# KiCad board sun3_60.kicad_pcb (continued)
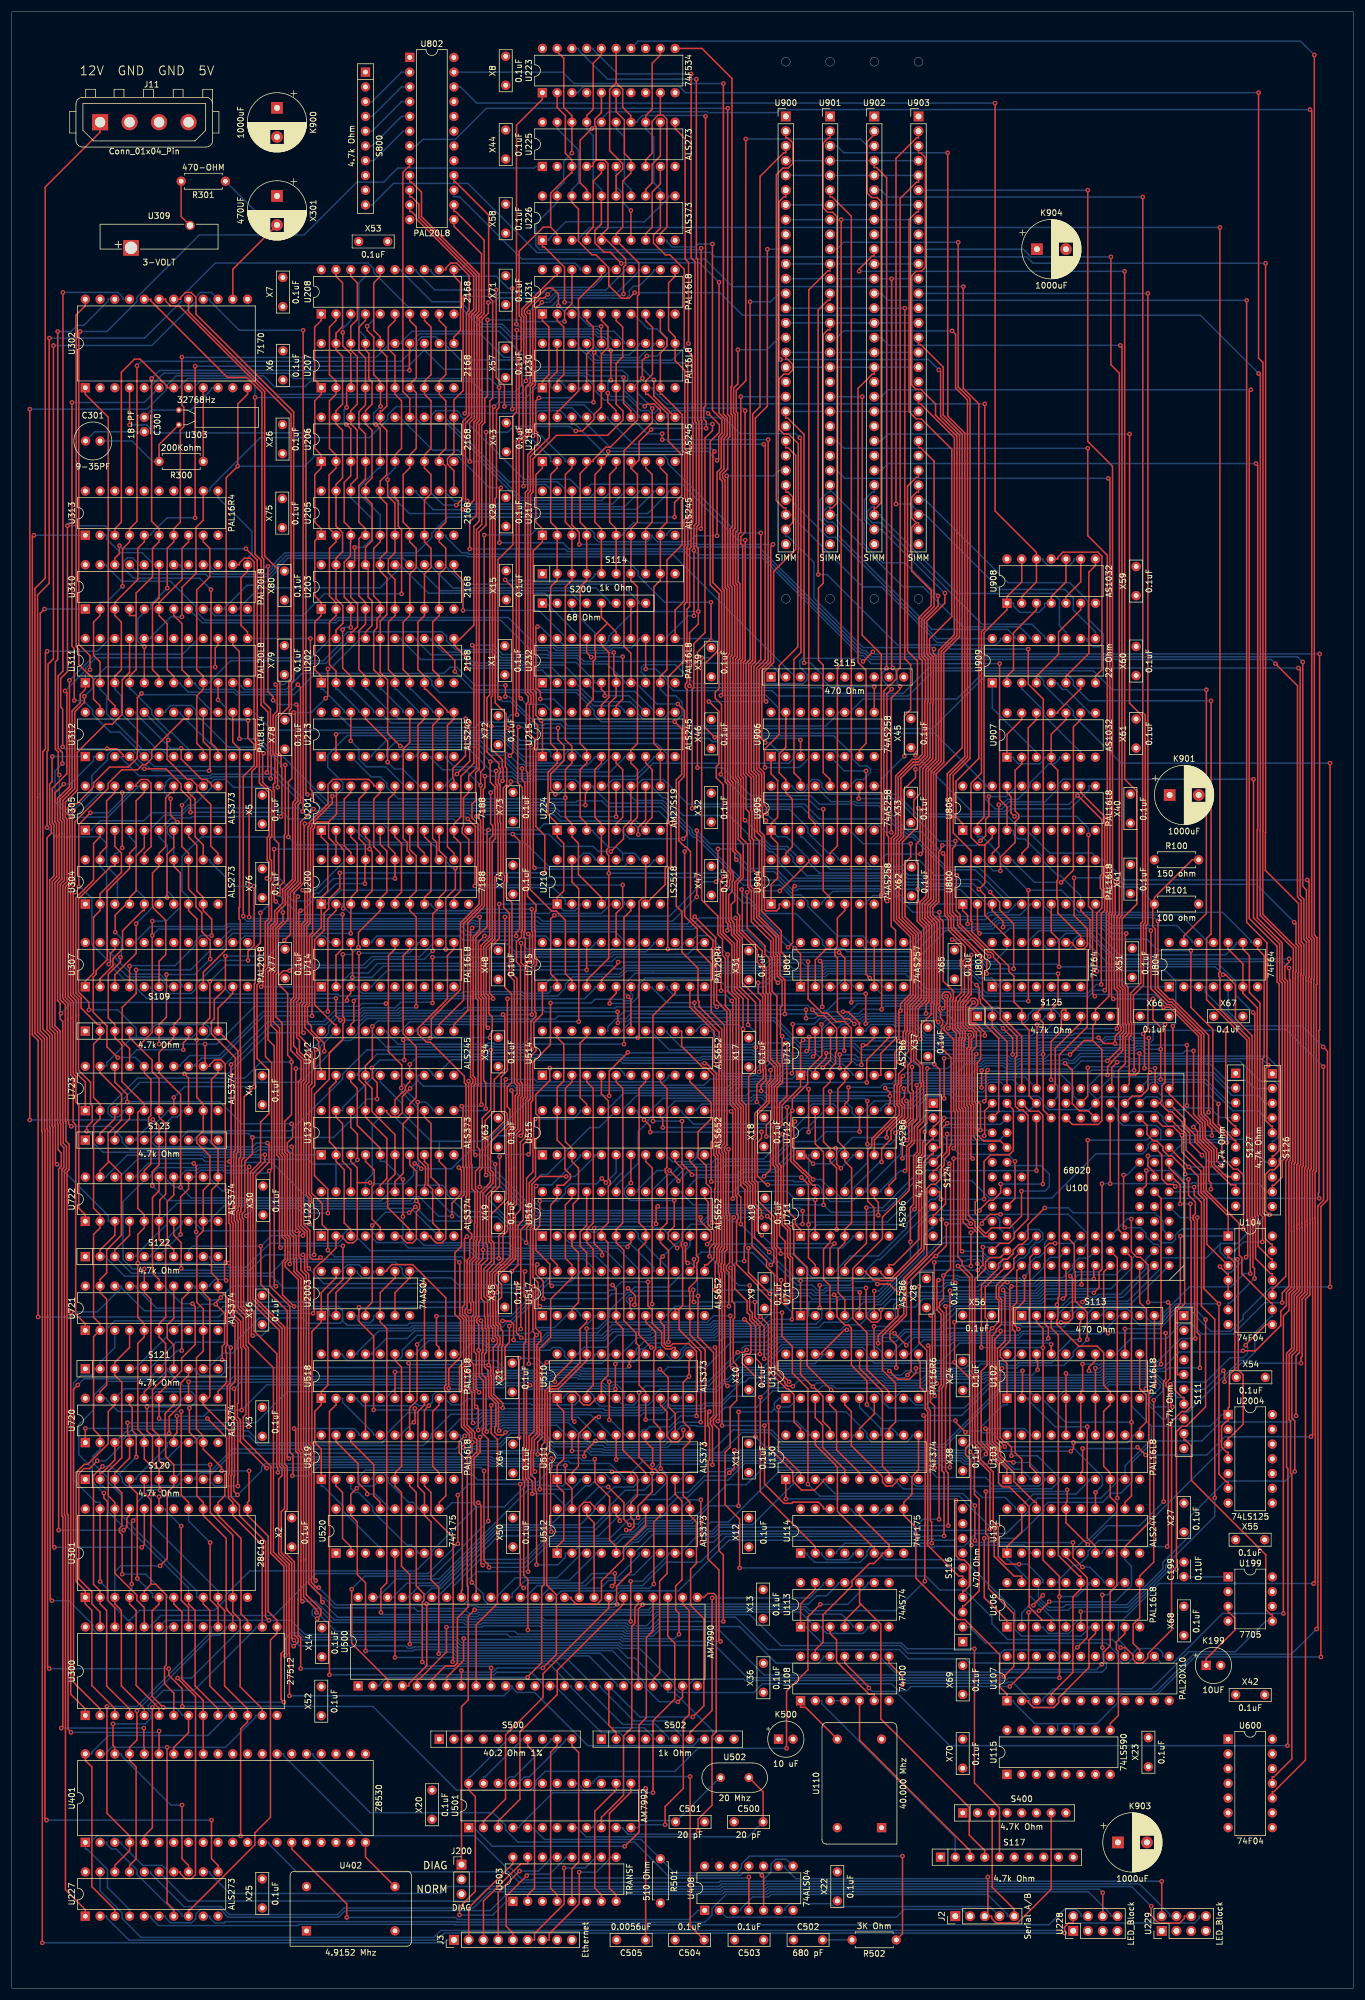
[diagram p0: board, top side]
## Footprints (pads in the part's own frame, mm; a bottom-side part is the same pattern mirrored in y, then rotated)
68020
  round 1.524 hole 0.762: 1(15.875,-15.875) 2(13.335,-15.875) 3(10.795,-15.875) 4(8.255,-15.875) 5(5.715,-15.875) 6(3.175,-15.875) 7(0.635,-15.875) 8(-1.905,-15.875) 9(-4.445,-15.875) 10(-6.985,-15.875) 11(-9.525,-15.875) 12(-12.065,-15.875) 13(-14.605,-15.875) 14(15.875,-13.335) 15(13.335,-13.335) 16(10.795,-13.335) 17(8.255,-13.335) 18(5.715,-13.335) 19(3.175,-13.335) 20(0.635,-13.335) 21(-1.905,-13.335) 22(-4.445,-13.335) 23(-6.985,-13.335) 24(-9.525,-13.335) 25(-12.065,-13.335) 26(-14.605,-13.335) 27(15.875,-10.795) 28(13.335,-10.795) 29(10.795,-10.795) 30(8.255,-10.795) 31(5.715,-10.795) 32(3.175,-10.795) 33(0.635,-10.795) 34(-1.905,-10.795) 35(-4.445,-10.795) 36(-6.985,-10.795) 37(-9.525,-10.795) 38(-12.065,-10.795) 39(-14.605,-10.795) 40(15.875,-8.255) 41(13.335,-8.255) 42(10.795,-8.255) 51(-12.065,-8.255) 52(-14.605,-8.255) 53(15.875,-5.715) 54(13.335,-5.715) 55(10.795,-5.715) 64(-12.065,-5.715) 65(-14.605,-5.715) 66(15.875,-3.175) 67(13.335,-3.175) 68(10.795,-3.175) 77(-12.065,-3.175) 78(-14.605,-3.175) 79(15.875,-0.635) 80(13.335,-0.635) 81(10.795,-0.635) 89(-9.525,-0.635) 90(-12.065,-0.635) 91(-14.605,-0.635) 92(15.875,1.905) 93(13.335,1.905) 94(10.795,1.905) 103(-12.065,1.905) 104(-14.605,1.905) 105(15.875,4.445) 106(13.335,4.445) 107(10.795,4.445) 116(-12.065,4.445) 117(-14.605,4.445) 118(15.875,6.985) 119(13.335,6.985) 120(10.795,6.985) 129(-12.065,6.985) 130(-14.605,6.985) 131(15.875,9.525) 132(13.335,9.525) 133(10.795,9.525) 134(8.255,9.525) 135(5.715,9.525) 136(3.175,9.525) 137(0.635,9.525) 138(-1.905,9.525) 139(-4.445,9.525) 140(-6.985,9.525) 141(-9.525,9.525) 142(-12.065,9.525) 143(-14.605,9.525) 144(15.875,12.065) 145(13.335,12.065) 146(10.795,12.065) 147(8.255,12.065) 148(5.715,12.065) 149(3.175,12.065) 150(0.635,12.065) 151(-1.905,12.065) 152(-4.445,12.065) 153(-6.985,12.065) 154(-9.525,12.065) 155(-12.065,12.065) 156(-14.605,12.065) 157(15.875,14.605) 158(13.335,14.605) 159(10.795,14.605) 160(8.255,14.605) 161(5.715,14.605) 162(3.175,14.605) 163(0.635,14.605) 164(-1.905,14.605) 165(-4.445,14.605) 166(-6.985,14.605) 167(-9.525,14.605) 168(-12.065,14.605) 169(-14.605,14.605)
Battery_Panasonic_CR2032-VS1N_Vertical_CircularHoles
  rect 2.7x2.7 hole 2.12: 1(0,0)
  round 1.6 hole 1.09: 2(10.17,3.85)
C_Disc_D3.0mm_W2.0mm_P2.50mm
  round 1.6 hole 0.8: 1(0,0) 2(2.5,0)
C_Radial_D6.3mm_H5.0mm_P2.50mm
  round 1.6 hole 0.8: 1(0,0) 2(2.5,0)
C_Rect_L7.0mm_W2.0mm_P5.00mm
  round 1.6 hole 0.8: 1(0,0) 2(5,0)
CP_Radial_D10.0mm_P5.00mm
  rect 2x2 hole 1: 1(0,0)
  round 2 hole 1: 2(5,0)
CP_Radial_Tantal_D6.0mm_P2.50mm
  rect 1.6x1.6 hole 0.8: 1(0,0)
  round 1.6 hole 0.8: 2(2.5,0)
Crystal_AT310_D3.0mm_L10.0mm_Horizontal
  round 1 hole 0.5: 1(0,0) 2(2.54,0)
Crystal_HC49-U_Vertical
  round 1.5 hole 0.8: 1(0,0) 2(4.88,0)
DIP-8_W7.62mm
  rect 1.6x1.6 hole 0.8: 1(0,0)
  oval 1.6x1.6 hole 0.8: 2(0,-2.54) 3(0,-5.08) 4(0,-7.62) 5(7.62,-7.62) 6(7.62,-5.08) 7(7.62,-2.54) 8(7.62,0)
DIP-14_W7.62mm
  rect 1.6x1.6 hole 0.8: 1(0,0)
  oval 1.6x1.6 hole 0.8: 2(0,-2.54) 3(0,-5.08) 4(0,-7.62) 5(0,-10.16) 6(0,-12.7) 7(0,-15.24) 8(7.62,-15.24) 9(7.62,-12.7) 10(7.62,-10.16) 11(7.62,-7.62) 12(7.62,-5.08) 13(7.62,-2.54) 14(7.62,0)
DIP-16_W7.62mm
  rect 1.6x1.6 hole 0.8: 1(0,0)
  oval 1.6x1.6 hole 0.8: 2(0,-2.54) 3(0,-5.08) 4(0,-7.62) 5(0,-10.16) 6(0,-12.7) 7(0,-15.24) 8(0,-17.78) 9(7.62,-17.78) 10(7.62,-15.24) 11(7.62,-12.7) 12(7.62,-10.16) 13(7.62,-7.62) 14(7.62,-5.08) 15(7.62,-2.54) 16(7.62,0)
DIP-20_W7.62mm
  rect 1.6x1.6 hole 0.8: 1(0,0)
  oval 1.6x1.6 hole 0.8: 2(0,-2.54) 3(0,-5.08) 4(0,-7.62) 5(0,-10.16) 6(0,-12.7) 7(0,-15.24) 8(0,-17.78) 9(0,-20.32) 10(0,-22.86) 11(7.62,-22.86) 12(7.62,-20.32) 13(7.62,-17.78) 14(7.62,-15.24) 15(7.62,-12.7) 16(7.62,-10.16) 17(7.62,-7.62) 18(7.62,-5.08) 19(7.62,-2.54) 20(7.62,0)
DIP-22_W7.62mm
  rect 1.6x1.6 hole 0.8: 1(0,0)
  oval 1.6x1.6 hole 0.8: 2(0,-2.54) 3(0,-5.08) 4(0,-7.62) 5(0,-10.16) 6(0,-12.7) 7(0,-15.24) 8(0,-17.78) 9(0,-20.32) 10(0,-22.86) 11(0,-25.4) 12(7.62,-25.4) 13(7.62,-22.86) 14(7.62,-20.32) 15(7.62,-17.78) 16(7.62,-15.24) 17(7.62,-12.7) 18(7.62,-10.16) 19(7.62,-7.62) 20(7.62,-5.08) 21(7.62,-2.54) 22(7.62,0)
DIP-24_W7.62mm
  rect 1.6x1.6 hole 0.8: 1(0,0)
  oval 1.6x1.6 hole 0.8: 2(0,-2.54) 3(0,-5.08) 4(0,-7.62) 5(0,-10.16) 6(0,-12.7) 7(0,-15.24) 8(0,-17.78) 9(0,-20.32) 10(0,-22.86) 11(0,-25.4) 12(0,-27.94) 13(7.62,-27.94) 14(7.62,-25.4) 15(7.62,-22.86) 16(7.62,-20.32) 17(7.62,-17.78) 18(7.62,-15.24) 19(7.62,-12.7) 20(7.62,-10.16) 21(7.62,-7.62) 22(7.62,-5.08) 23(7.62,-2.54) 24(7.62,0)
DIP-24_W15.24mm
  rect 1.6x1.6 hole 0.8: 1(0,0)
  oval 1.6x1.6 hole 0.8: 2(0,-2.54) 3(0,-5.08) 4(0,-7.62) 5(0,-10.16) 6(0,-12.7) 7(0,-15.24) 8(0,-17.78) 9(0,-20.32) 10(0,-22.86) 11(0,-25.4) 12(0,-27.94) 13(15.24,-27.94) 14(15.24,-25.4) 15(15.24,-22.86) 16(15.24,-20.32) 17(15.24,-17.78) 18(15.24,-15.24) 19(15.24,-12.7) 20(15.24,-10.16) 21(15.24,-7.62) 22(15.24,-5.08) 23(15.24,-2.54) 24(15.24,0)
DIP-28_W15.24mm
  rect 1.6x1.6 hole 0.8: 1(0,0)
  oval 1.6x1.6 hole 0.8: 2(0,-2.54) 3(0,-5.08) 4(0,-7.62) 5(0,-10.16) 6(0,-12.7) 7(0,-15.24) 8(0,-17.78) 9(0,-20.32) 10(0,-22.86) 11(0,-25.4) 12(0,-27.94) 13(0,-30.48) 14(0,-33.02) 15(15.24,-33.02) 16(15.24,-30.48) 17(15.24,-27.94) 18(15.24,-25.4) 19(15.24,-22.86) 20(15.24,-20.32) 21(15.24,-17.78) 22(15.24,-15.24) 23(15.24,-12.7) 24(15.24,-10.16) 25(15.24,-7.62) 26(15.24,-5.08) 27(15.24,-2.54) 28(15.24,0)
DIP-40_W15.24mm
  rect 1.6x1.6 hole 0.8: 1(0,0)
  oval 1.6x1.6 hole 0.8: 2(0,-2.54) 3(0,-5.08) 4(0,-7.62) 5(0,-10.16) 6(0,-12.7) 7(0,-15.24) 8(0,-17.78) 9(0,-20.32) 10(0,-22.86) 11(0,-25.4) 12(0,-27.94) 13(0,-30.48) 14(0,-33.02) 15(0,-35.56) 16(0,-38.1) 17(0,-40.64) 18(0,-43.18) 19(0,-45.72) 20(0,-48.26) 21(15.24,-48.26) 22(15.24,-45.72) 23(15.24,-43.18) 24(15.24,-40.64) 25(15.24,-38.1) 26(15.24,-35.56) 27(15.24,-33.02) 28(15.24,-30.48) 29(15.24,-27.94) 30(15.24,-25.4) 31(15.24,-22.86) 32(15.24,-20.32) 33(15.24,-17.78) 34(15.24,-15.24) 35(15.24,-12.7) 36(15.24,-10.16) 37(15.24,-7.62) 38(15.24,-5.08) 39(15.24,-2.54) 40(15.24,0)
DIP-48_W15.24mm
  rect 1.6x1.6 hole 0.8: 1(0,0)
  oval 1.6x1.6 hole 0.8: 2(0,-2.54) 3(0,-5.08) 4(0,-7.62) 5(0,-10.16) 6(0,-12.7) 7(0,-15.24) 8(0,-17.78) 9(0,-20.32) 10(0,-22.86) 11(0,-25.4) 12(0,-27.94) 13(0,-30.48) 14(0,-33.02) 15(0,-35.56) 16(0,-38.1) 17(0,-40.64) 18(0,-43.18) 19(0,-45.72) 20(0,-48.26) 21(0,-50.8) 22(0,-53.34) 23(0,-55.88) 24(0,-58.42) 25(15.24,-58.42) 26(15.24,-55.88) 27(15.24,-53.34) 28(15.24,-50.8) 29(15.24,-48.26) 30(15.24,-45.72) 31(15.24,-43.18) 32(15.24,-40.64) 33(15.24,-38.1) 34(15.24,-35.56) 35(15.24,-33.02) 36(15.24,-30.48) 37(15.24,-27.94) 38(15.24,-25.4) 39(15.24,-22.86) 40(15.24,-20.32) 41(15.24,-17.78) 42(15.24,-15.24) 43(15.24,-12.7) 44(15.24,-10.16) 45(15.24,-7.62) 46(15.24,-5.08) 47(15.24,-2.54) 48(15.24,0)
Oscillator_DIP-14
  rect 1.6x1.6 hole 0.8: 1(0,0)
  round 1.6 hole 0.8: 7(15.24,0) 8(15.24,7.62) 14(0,7.62)
PinHeader_1x03_P2.54mm_Vertical
  rect 1.7x1.7 hole 1: 1(0,0)
  oval 1.7x1.7 hole 1: 2(0,-2.54) 3(0,-5.08)
PinHeader_1x05_P2.54mm_Vertical
  rect 1.7x1.7 hole 1: 1(0,0)
  oval 1.7x1.7 hole 1: 2(0,-2.54) 3(0,-5.08) 4(0,-7.62) 5(0,-10.16)
PinHeader_1x09_P2.54mm_Vertical
  rect 1.7x1.7 hole 1: 1(0,0)
  oval 1.7x1.7 hole 1: 2(0,-2.54) 3(0,-5.08) 4(0,-7.62) 5(0,-10.16) 6(0,-12.7) 7(0,-15.24) 8(0,-17.78) 9(0,-20.32)
PinHeader_1x30_P2.54mm_Vertical
  rect 1.7x1.7 hole 1: 1(0,0)
  oval 1.7x1.7 hole 1: 2(0,-2.54) 3(0,-5.08) 4(0,-7.62) 5(0,-10.16) 6(0,-12.7) 7(0,-15.24) 8(0,-17.78) 9(0,-20.32) 10(0,-22.86) 11(0,-25.4) 12(0,-27.94) 13(0,-30.48) 14(0,-33.02) 15(0,-35.56) 16(0,-38.1) 17(0,-40.64) 18(0,-43.18) 19(0,-45.72) 20(0,-48.26) 21(0,-50.8) 22(0,-53.34) 23(0,-55.88) 24(0,-58.42) 25(0,-60.96) 26(0,-63.5) 27(0,-66.04) 28(0,-68.58) 29(0,-71.12) 30(0,-73.66)
PinHeader_2x04_P2.54mm_Vertical
  rect 1.7x1.7 hole 1: 1(0,0)
  oval 1.7x1.7 hole 1: 2(2.54,0) 3(0,-2.54) 4(2.54,-2.54) 5(0,-5.08) 6(2.54,-5.08) 7(0,-7.62) 8(2.54,-7.62)
R_Array_SIP8
  rect 1.6x1.6 hole 0.8: 1(0,0)
  oval 1.6x1.6 hole 0.8: 2(2.54,0) 3(5.08,0) 4(7.62,0) 5(10.16,0) 6(12.7,0) 7(15.24,0) 8(17.78,0)
R_Array_SIP10
  rect 1.6x1.6 hole 0.8: 1(0,0)
  oval 1.6x1.6 hole 0.8: 2(2.54,0) 3(5.08,0) 4(7.62,0) 5(10.16,0) 6(12.7,0) 7(15.24,0) 8(17.78,0) 9(20.32,0) 10(22.86,0)
R_Axial_DIN0207_L6.3mm_D2.5mm_P7.62mm_Horizontal
  round 1.6 hole 0.8: 1(0,0)
  oval 1.6x1.6 hole 0.8: 2(7.62,0)
TE_MATE-N-LOK_350211-1_1x04_P5.08mm_Vertical
  rect 2.78x2.78 hole 1.78: 1(0,0)
  round 2.78 hole 1.78: 2(5.08,0) 3(10.16,0) 4(15.24,0)

## Nets
+12V: J3.1 J11.1
GND: C199.2 C500.1 C501.2 C502.1 C503.2 C504.2 C505.2 J2.1 J3.9 J11.2 J11.3 J200.2 K199.2 K500.2 K900.2 K901.2 K903.2 K904.2 R101.2 S114.1 S115.1 S116.1 S500.1 S800.2 U100.10 U100.22 U100.90 U100.93 U100.104 U100.107 U100.118 U100.137 U100.163 U102.10 U103.10 U104.7 U106.10 U107.5 U107.6 U107.7 U107.8 U107.9 U107.10 U107.11 U107.12 U108.7 U110.7 U113.7 U114.8 U115.8 U115.12 U115.14 U122.10 U123.10 U130.10 U131.10 U132.10 U199.4 U200.11 U201.11 U202.10 U203.10 U205.10 U206.10 U207.10 U208.10 U210.8 U212.10 U213.10 U215.10 U217.10 U218.10 U223.10 U224.8 U225.10 U226.10 U227.10 U230.10 U231.10 U232.1 U232.10 U300.14 U300.20 U301.12 U301.18 U302.3 U302.11 U302.13 U304.10 U305.10 U307.12 U310.12 U311.12 U311.23 U312.12 U313.10 U401.12 U401.18 U401.19 U401.21 U401.22 U401.28 U401.31 U401.33 U402.7 U408.7 U500.1 U500.24 U501.6 U501.7 U501.15 U510.10 U511.10 U512.10 U514.1 U514.2 U514.12 U515.1 U515.2 U515.12 U516.1 U516.2 U516.12 U517.1 U517.2 U517.12 U518.10 U519.10 U520.8 U600.7 U710.7 U711.7 U712.7 U713.7 U714.5 U714.6 U714.7 U714.8 U714.9 U714.10 U715.12 U720.10 U721.10 U722.10 U723.10 U800.8 U800.10 U801.8 U801.10 U801.15 U802.1 U802.12 U803.2 U803.3 U803.4 U803.5 U803.6 U803.7 U804.7 U805.6 U805.7 U805.10 U900.9 U900.22 U900.24 U901.9 U901.22 U901.24 U902.9 U902.22 U902.24 U903.9 U903.22 U903.24 U904.8 U905.8 U906.8 U906.10 U906.13 U906.14 U907.7 U908.7 U2003.7 U2004.7 X1.2 X2.2 X3.2 X4.2 X5.2 X6.2 X7.2 X8.2 X9.2 X10.2 X11.2 X12.2 X13.2 X14.2 X15.2 X16.2 X17.2 X18.2 X19.2 X20.2 X21.2 X22.2 X23.2 X24.2 X25.2 X26.2 X27.2 X28.2 X29.2 X30.2 X31.2 X32.2 X33.2 X34.2 X35.2 X36.2 X37.2 X38.2 X39.2 X40.2 X41.2 X42.2 X43.2 X44.2 X45.2 X46.2 X47.2 X48.2 X49.2 X50.2 X51.2 X52.2 X53.2 X54.2 X55.2 X56.2 X57.2 X58.2 X59.2 X60.2 X61.2 X62.2 X63.2 X64.2 X65.2 X66.2 X67.2 X68.2 X69.2 X70.2 X71.2 X72.2 X73.2 X74.2 X75.2 X76.2 X77.2 X78.2 X79.2 X80.2
VCC: C503.1 J11.4 K500.1 K900.1 K901.1 K903.1 K904.1 R100.1 R501.2 S109.1 S111.1 S113.1 S117.1 S120.1 S121.1 S122.1 S123.1 S124.1 S125.1 S126.1 S127.1 S400.4 S400.8 S502.1 S800.1 U100.9 U100.40 U100.41 U100.55 U100.89 U100.91 U100.151 U100.164 U102.20 U103.20 U104.14 U106.20 U107.24 U108.10 U108.14 U110.14 U113.14 U114.4 U114.16 U115.10 U115.16 U122.20 U123.20 U130.20 U131.20 U132.2 U132.4 U132.6 U132.8 U132.11 U132.13 U132.15 U132.17 U132.20 U199.2 U199.7 U199.8 U200.22 U201.22 U202.20 U203.20 U205.20 U206.20 U207.20 U208.20 U210.16 U212.20 U213.20 U215.20 U217.20 U218.20 U223.4 U223.7 U223.8 U223.13 U223.20 U224.16 U225.20 U226.20 U227.20 U228.1 U228.3 U228.5 U228.7 U229.1 U229.3 U229.5 U229.7 U230.20 U231.20 U232.20 U300.28 U301.24 U302.2 U302.23 U304.20 U305.20 U307.24 U309.1 U310.24 U311.24 U312.24 U313.20 U401.7 U401.8 U401.9 U402.14 U408.14 U500.48 U501.18 U501.19 U501.20 U510.20 U511.20 U512.20 U514.22 U514.24 U515.22 U515.24 U516.24 U517.24 U518.20 U519.20 U520.1 U520.16 U600.14 U710.14 U711.14 U712.14 U713.14 U714.20 U715.24 U720.20 U721.20 U722.20 U723.20 U800.20 U801.13 U801.16 U802.24 U803.14 U804.4 U804.14 U805.20 U900.1 U900.30 U901.1 U901.30 U902.1 U902.30 U903.1 U903.30 U904.16 U905.16 U906.16 U907.14 U908.14 U2003.14 U2004.2 U2004.5 U2004.14 X1.1 X2.1 X3.1 X4.1 X5.1 X6.1 X7.1 X8.1 X9.1 X10.1 X11.1 X12.1 X13.1 X14.1 X15.1 X16.1 X17.1 X18.1 X19.1 X20.1 X21.1 X22.1 X23.1 X24.1 X25.1 X26.1 X27.1 X28.1 X29.1 X30.1 X31.1 X32.1 X33.1 X34.1 X35.1 X36.1 X37.1 X38.1 X39.1 X40.1 X41.1 X42.1 X43.1 X44.1 X45.1 X46.1 X47.1 X48.1 X49.1 X50.1 X51.1 X52.1 X53.1 X54.1 X55.1 X56.1 X57.1 X58.1 X59.1 X60.1 X61.1 X62.1 X63.1 X64.1 X65.1 X66.1 X67.1 X68.1 X69.1 X70.1 X71.1 X72.1 X73.1 X74.1 X75.1 X76.1 X77.1 X78.1 X79.1 X80.1 X301.1
/AS: U102.9 U103.9 U104.2 U114.1 U803.12 U804.9 U2004.1 U2004.4
/AS-: S111.7 U100.131 U104.1 U130.17 U131.19
/BERR-: U100.106 U106.18 U518.11
/C.S3: U114.2 U114.5 U804.12
/C.S3-: U114.3 U230.8 U231.8 U310.18 U803.13 U805.3 U904.1 U905.1 U906.1
/C.S5: U108.13 U114.7 U114.12
/CAS-: U104.13 U715.6 U804.8 U805.2 U908.1 U908.4 U908.10 U908.13
/CDIS-: S111.5 U100.92
/CLK: U108.12 U715.1 U803.1 U804.1 U2003.6 U2003.8
/CLK-: U107.1 U114.9 U115.11 U115.13 U130.11 U131.1 U313.1 U520.9 U804.5 U2003.2 U2003.10 U2003.12
/CX0: U200.1 U201.1 U210.2 U723.13
/CX1: U200.2 U201.2 U210.5 U723.14
/CX2: U200.3 U201.3 U210.11 U723.17
/DDIS-: S113.8 U131.12
/DIAG-: J200.1 S113.10 U226.3
/DIS.RAS-: U102.13 U803.11
/DISACC-: U232.13 U310.23 U804.13
/DMA: U106.12 U723.18
/DS-: S111.8 U100.144 U104.9 U310.14 U519.11
/DSACK0-: S113.4 U100.94 U106.17 U123.11 U230.12 U311.20 U313.12 U805.18 U2004.3
/DSACK1-: S113.5 U100.105 U519.12 U805.17 U2004.6
/DXACK-: U130.13 U805.16
/E.ACK-: U131.17 U510.1 U511.1 U512.1 U518.9 U519.9
/E.CS-: U100.79 U113.11 U500.20 U516.22 U517.22 U519.5 U520.15
/E.HOLD-: S502.7 U113.12 U500.17 U520.5
/E.IRQ-: S502.8 U307.13 U500.11
/E.REQ-: U130.4 U518.14
/EN.CAS: U310.21 U804.11
/EN.DEV-: U102.18 U232.6 U310.8 U715.4
/EN.E-: U310.16 U518.1 U519.1 U520.4
/EN.UART-: U102.12 U311.11
/Ethernet/A0: S120.2 U100.30 U224.10 U230.1 U231.1 U300.10 U301.8 U302.8 U312.3 U510.2 U720.3 U800.3
/Ethernet/A1: S120.3 U100.2 U224.11 U230.2 U231.2 U300.9 U301.7 U302.7 U312.4 U313.3 U401.32 U500.21 U510.5 U518.5 U720.4 U800.4
/Ethernet/A2: S120.4 U100.64 U224.12 U300.8 U301.6 U302.6 U312.5 U401.34 U510.6 U720.7 U801.2 U801.6 U801.11 U801.14
/Ethernet/A3: S120.5 U100.52 U224.13 U300.7 U301.5 U302.5 U510.9 U720.8 U906.6
/Ethernet/A4: S120.6 U100.51 U224.14 U300.6 U301.4 U302.4 U510.12 U720.13 U904.3
/Ethernet/A5: S120.7 U100.39 U300.5 U301.3 U510.15 U720.14 U904.6
/Ethernet/A6: S120.8 U100.26 U300.4 U301.2 U510.16 U720.17 U904.10
/Ethernet/A7: S120.9 U100.38 U300.3 U301.1 U510.19 U720.18 U904.13
/Ethernet/A8: S121.2 U100.13 U300.25 U301.23 U511.2 U721.3 U905.3
/Ethernet/A9: S121.3 U100.37 U300.24 U301.22 U511.5 U721.4 U905.6
/Ethernet/A10: S121.4 U100.25 U300.21 U301.19 U511.6 U721.7 U905.10
/Ethernet/A11: S121.5 U100.12 U300.23 U511.9 U721.8 U905.13
/Ethernet/A12: S121.6 U100.36 U300.2 U511.12 U721.13 U906.3
/Ethernet/A13: S121.7 U100.24 U103.1 U202.16 U203.16 U205.16 U206.16 U207.16 U208.16 U300.26 U511.15 U721.14
/Ethernet/A14: S121.8 U100.11 U103.2 U202.17 U203.17 U205.17 U206.17 U207.17 U208.17 U300.27 U511.16 U721.17
/Ethernet/A15: S121.9 U100.23 U103.3 U202.18 U203.18 U205.18 U206.18 U207.18 U208.18 U300.1 U511.19 U721.18
/Ethernet/A16: S122.2 U100.35 U103.4 U202.19 U203.19 U205.19 U206.19 U207.19 U208.19 U512.2 U722.3
/Ethernet/A17: S122.3 U100.34 U103.5 U200.19 U201.19 U512.5 U722.4
/Ethernet/A18: S122.4 U100.21 U200.20 U201.20 U512.6 U722.7
/Ethernet/A19: S122.5 U100.8 U200.21 U201.21 U512.9 U722.8
/Ethernet/A20: S122.6 U100.20 U200.4 U201.4 U512.12 U722.13
/Ethernet/A21: S122.7 U100.33 U200.5 U201.5 U512.15 U722.14
/Ethernet/A22: S122.8 U100.7 U200.6 U201.6 U512.16 U722.17
/Ethernet/A23: S122.9 U100.6 U200.7 U201.7 U512.19 U722.18
/Ethernet/A24: S123.2 U100.19 U132.18 U200.8 U201.8 U723.3
/Ethernet/A25: S123.3 U100.32 U132.3 U200.9 U201.9 U723.4
/Ethernet/A26: S123.4 U100.5 U132.16 U200.17 U201.17 U723.7
/Ethernet/A27: S123.5 U100.18 U132.5 U200.18 U201.18 U723.8
/Ethernet/A28: S123.6 U100.4 U102.1 U132.14 U230.3 U231.3
/Ethernet/A29: S123.7 U100.31 U102.2 U132.7 U230.4 U231.4
/Ethernet/A30: S123.8 U100.17 U102.3 U132.12 U230.5 U231.5
/Ethernet/A31: S123.9 U100.3 U102.4 U132.9
/Ethernet/E.A16: U500.39 U512.3
/Ethernet/E.A17: U500.38 U512.4
/Ethernet/E.A18: U500.37 U512.7
/Ethernet/E.A19: U500.36 U512.8
/Ethernet/E.A20: U500.35 U512.13
/Ethernet/E.A21: U500.34 U512.14
/Ethernet/E.A22: U500.33 U512.17
/Ethernet/E.A23: U500.32 U512.18
/Ethernet/E.ALE: S502.2 U500.18 U510.11 U511.11 U512.11 U518.6
/Ethernet/E.BM0-: S502.5 U500.15 U519.7
/Ethernet/E.BM1-: S502.6 U500.16 U519.8
/Ethernet/E.CBA: U514.23 U515.23 U516.23 U517.23 U518.12
/Ethernet/E.CLSW: U500.28 U501.1
/Ethernet/E.CO+: S500.6 U501.24 U503.1
/Ethernet/E.CO+<>: J3.2 U503.16
/Ethernet/E.CO-: S500.7 U501.23 U503.2
/Ethernet/E.CO-<>: J3.3 U503.15
/Ethernet/E.CREQ-: U519.2 U520.2
/Ethernet/E.CSX-: U519.18 U520.13
/Ethernet/E.D0: U500.9 U510.3 U514.4 U516.4
/Ethernet/E.D1: U500.8 U510.4 U514.5 U516.5
/Ethernet/E.D2: U500.7 U510.7 U514.6 U516.6
/Ethernet/E.D3: U500.6 U510.8 U514.7 U516.7
/Ethernet/E.D4: U500.5 U510.13 U514.8 U516.8
/Ethernet/E.D5: U500.4 U510.14 U514.9 U516.9
/Ethernet/E.D6: U500.3 U510.17 U514.10 U516.10
/Ethernet/E.D7: U500.2 U510.18 U514.11 U516.11
/Ethernet/E.D8: U500.47 U511.3 U515.4 U517.4
/Ethernet/E.D9: U500.46 U511.4 U515.5 U517.5
/Ethernet/E.D10: U500.45 U511.7 U515.6 U517.6
/Ethernet/E.D11: U500.44 U511.8 U515.7 U517.7
/Ethernet/E.D12: U500.43 U511.13 U515.8 U517.8
/Ethernet/E.D13: U500.42 U511.14 U515.9 U517.9
/Ethernet/E.D14: U500.41 U511.17 U515.10 U517.10
/Ethernet/E.D15: U500.40 U511.18 U515.11 U517.11
/Ethernet/E.DAS-: S502.3 U500.14 U518.2 U519.16
/Ethernet/E.EXT-: S502.10
/Ethernet/E.GAB: U514.3 U515.3 U516.3 U517.3 U518.19
/Ethernet/E.GBA0-: U516.21 U517.21 U518.18
/Ethernet/E.GBA1-: U514.21 U515.21 U518.17
/Ethernet/E.HLDA-: U500.19 U518.8 U519.4 U520.10
/Ethernet/E.HLDX-: U519.19 U520.12
/Ethernet/E.HREQ-: U519.3 U520.7
/Ethernet/E.RCLK: U500.27 U501.4
/Ethernet/E.RDY-: S502.9 U500.22 U518.15 U519.6
/Ethernet/E.RENA: U500.30 U501.3
/Ethernet/E.RX: U500.31 U501.2
/Ethernet/E.RX+: S500.9 U501.22 U503.4
/Ethernet/E.RX+<>: J3.4 U503.13
/Ethernet/E.RX-: S500.10 U501.21 U503.5
/Ethernet/E.RX-<>: J3.5 U503.12
/Ethernet/E.SMS: J3.8
/Ethernet/E.TCLK: U500.25 U501.11
/Ethernet/E.TENA: U500.26 U501.12
/Ethernet/E.TX: U500.29 U501.10
/Ethernet/E.TX+: U501.14 U503.7
/Ethernet/E.TX+<>: J3.6 U503.10
/Ethernet/E.TX-: U501.13 U503.8
/Ethernet/E.TX-<>: J3.7 U503.9
/Ethernet/E.WE-: U500.10 U518.4 U519.17
/FC2: U100.67 U102.7 U103.14 U232.8
/HALT-: S113.3 U100.119 U106.15 U107.4
/INIT-: U106.11 U107.15 U131.8 U225.1 U227.1 U311.1 U714.3 U715.2 U805.11
/IO2CPU-: U123.1 U311.21
/IOLOCK-: U113.9 U310.1
/IPL0-: U100.116 U307.22
/IPL1-: U100.117 U307.21
/IPL2-: U100.103 U307.15
/P0: U713.6 U903.26 U903.29
/P1: U712.6 U902.26 U902.29
/P2: U711.6 U901.26 U901.29
/P3: U710.6 U900.26 U900.29
/PD0-: S115.2 U200.10 U201.10
/PD1-: S115.3 U202.9 U203.9 U205.9 U206.9 U207.9 U208.9
/POR-: S111.9 U107.3 U199.5
/PU0: S117.2 U108.2
/PU1: S117.3 U108.5
/PU2: S117.4 U113.4 U113.10
/PU3: S117.5 U113.1 U113.13
/R.ACK-: U102.8 U103.8 U106.8 U108.9 U131.18 U800.9 U802.14 U805.4
/R/W-: U100.132 U104.3 U518.3 U519.13 U715.5
/READ-: U104.4 U104.5 U212.1 U213.1 U215.1 U217.1 U218.1 U906.11
/RERUN-: S113.6 U106.6 U310.22 U518.13
/RESET-: S113.2 U100.27 U106.14 U304.1 U500.23
/RTC-: S111.6 U302.12 U307.9
/S8A Memory/CAS: U104.12 U804.6 U804.10
/S8A Memory/CAS0-: U802.22 U908.2 U908.5 U908.9 U908.12
/S8A Memory/CAS1-: U802.21
/S8A Memory/CAS2-: U802.20
/S8A Memory/CAS3-: U802.19
/S8A Memory/CAS4-: U802.18
/S8A Memory/CAS5-: U802.17
/S8A Memory/CE-: U802.15 U805.1
/S8A Memory/M.PD-: U600.10 U800.11 U802.23 U805.5 U904.15 U905.15 U906.15
/S8A Memory/M.PU: S800.10 U600.11
/S8A Memory/M.S1-: S800.3 U802.2
/S8A Memory/M.S2-: S800.4 U802.3
/S8A Memory/M.S3-: S800.5 U802.4
/S8A Memory/M.S4-: S800.6 U802.5
/S8A Memory/M.S5-: S800.7 U802.6
/S8A Memory/PA02/22: U801.4 U802.7
/S8A Memory/PA13: U208.12 U218.18 U904.2
/S8A Memory/PA14: U208.13 U218.17 U904.5
/S8A Memory/PA15: U208.14 U218.16 U904.11
/S8A Memory/PA16: U208.15 U218.15 U904.14
/S8A Memory/PA17: U207.12 U218.14 U310.2 U311.2 U312.6 U313.4 U905.2
/S8A Memory/PA18: U207.13 U218.13 U310.3 U311.3 U312.7 U313.5 U905.5
/S8A Memory/PA19: U207.14 U218.12 U310.4 U311.4 U312.8 U313.6 U905.11
/S8A Memory/PA20: U207.15 U218.11 U310.5 U311.5 U313.7 U905.14
/S8A Memory/PA21: U206.12 U217.18 U906.2
/S8A Memory/PA22: U206.13 U217.17 U801.3 U801.5
/S8A Memory/PA22/02: U801.7 U906.5
/S8A Memory/PA23: U206.14 U217.16 U802.8
/S8A Memory/PA24: U206.15 U217.15 U802.9
/S8A Memory/PA25: U205.12 U217.14 U802.10
/S8A Memory/PA26: U205.13 U217.13 U802.11
/S8A Memory/PA27: U205.14 U217.12 U802.13
/S8A Memory/PA28: U205.15 U217.11 U310.9
/S8A Memory/R.ACK: U108.8 U804.2 U804.3
/S8A Memory/RAS: U104.10 U803.10
/S8A Memory/RAS-: U104.11 U803.8 U907.1 U907.4 U907.10 U907.13
/S8A Memory/RE00-: U800.19 U907.2
/S8A Memory/RE01-: U800.18 U907.5
/S8A Memory/RE02-: U800.17 U907.9
/S8A Memory/RE03-: U800.16 U907.12
/S8A Memory/RE10-: U800.15
/S8A Memory/RE11-: U800.14
/S8A Memory/RE12-: U800.13
/S8A Memory/RE13-: U800.12
/S8A Memory/SEL0-: U800.5 U801.9
/S8A Memory/SEL1: U800.6 U801.12
/S8A Memory/TWOWAY-: U801.1 U802.16
/S8A Memory/V.INTX-: U805.9
/S8A Memory/V.INTY-: U805.8
/SCC.IRQ-: S109.10 U307.11 U401.5
/SCSI 2, Parity/IO.D0: S109.2 U122.2 U123.3 U227.3 U300.11 U301.9 U302.15 U304.3 U305.2 U401.40 U715.20 U720.2 U721.2 U722.2 U723.2
/SCSI 2, Parity/IO.D1: S109.3 U122.5 U123.4 U227.4 U300.12 U301.10 U302.16 U304.4 U305.5 U401.1 U715.19 U720.5 U721.5 U722.5 U723.5
/SCSI 2, Parity/IO.D2: S109.4 U122.6 U123.7 U227.7 U300.13 U301.11 U302.17 U304.7 U305.6 U401.39 U715.18 U720.6 U721.6 U722.6 U723.6
/SCSI 2, Parity/IO.D3: S109.5 U122.9 U123.8 U227.8 U300.15 U301.13 U302.18 U304.8 U305.9 U401.2 U715.17 U720.9 U721.9 U722.9 U723.9
/SCSI 2, Parity/IO.D4: S109.6 U122.12 U123.13 U227.13 U300.16 U301.14 U302.19 U304.13 U305.12 U401.38 U714.15 U720.12 U721.12 U722.12 U723.12
/SCSI 2, Parity/IO.D5: S109.7 U122.15 U123.14 U227.14 U300.17 U301.15 U302.20 U304.14 U305.15 U401.3 U714.14 U720.15 U721.15 U722.15 U723.15
/SCSI 2, Parity/IO.D6: S109.8 U122.16 U123.17 U227.17 U300.18 U301.16 U302.21 U304.17 U305.16 U401.37 U714.13 U720.16 U721.16 U722.16 U723.16
/SCSI 2, Parity/IO.D7: S109.9 U122.19 U123.18 U227.18 U300.19 U301.17 U302.22 U304.18 U305.19 U401.4 U714.12 U720.19 U721.19 U722.19 U723.19
/SCSI 2, Parity/PAR0-: U713.5 U715.11
/SCSI 2, Parity/PAR1-: U712.5 U715.10
/SCSI 2, Parity/PAR2-: U711.5 U715.9
/SCSI 2, Parity/PAR3-: U710.5 U715.8
/SCSI 2, Parity/PAR.CHK-: U714.17 U715.23
/SCSI 2, Parity/PAR.ERR-: U714.4 U715.21
/SCSI 2, Parity/PAR.IRQ-: U307.14 U714.19
/SCSI 2, Parity/PAR.SAMPLE: U715.16 U720.11 U721.11 U722.11 U723.11
/SCSI 2, Parity/PAR.TEST-: U710.4 U711.4 U712.4 U713.4 U714.18
/SCSI 2, Parity/RD.PAR0-: U312.19 U714.2 U715.13
/SCSI 2, Parity/RD.PAR4-: U312.17 U723.1
/SCSI 2, Parity/RD.PAR5-: U312.16 U722.1
/SCSI 2, Parity/RD.PAR6-: U312.15 U721.1
/SCSI 2, Parity/RD.PAR7-: U312.14 U720.1
/SCSI 2, Parity/WR.PAR0-: U312.18 U714.1
/SCSI 2, Parity/WR.PAR4-: U312.13 U715.3
/SIMMs 1/CE00-: U908.3 U909.2
/SIMMs 1/CE01-: U908.6 U909.4
/SIMMs 1/CE02-: U908.8 U909.6
/SIMMs 1/CE03-: U908.11 U909.8
/SIMMs 1/M.A0.0: U900.4 U901.4 U902.4 U903.4 U904.4
/SIMMs 1/M.A1.0: U900.5 U901.5 U902.5 U903.5 U904.7
/SIMMs 1/M.A2.0: U900.7 U901.7 U902.7 U903.7 U904.9
/SIMMs 1/M.A3.0: U900.8 U901.8 U902.8 U903.8 U904.12
/SIMMs 1/M.A4.0: U900.11 U901.11 U902.11 U903.11 U905.4
/SIMMs 1/M.A5.0: U900.12 U901.12 U902.12 U903.12 U905.7
/SIMMs 1/M.A6.0: U900.14 U901.14 U902.14 U903.14 U905.9
/SIMMs 1/M.A7.0: U900.15 U901.15 U902.15 U903.15 U905.12
/SIMMs 1/M.A8.0: U900.17 U901.17 U902.17 U903.17 U906.4
/SIMMs 1/M.A9.0: U900.18 U901.18 U902.18 U903.18 U906.7
/SIMMs 1/M.CE00-: U900.2 U900.28 U909.15
/SIMMs 1/M.CE01-: U901.2 U901.28 U909.13
/SIMMs 1/M.CE02-: U902.2 U902.28 U909.11
/SIMMs 1/M.CE03-: U903.2 U903.28 U909.9
/SIMMs 1/M.RE00-: U900.27 U909.16
/SIMMs 1/M.RE01-: U901.27 U909.14
/SIMMs 1/M.RE02-: U902.27 U909.12
/SIMMs 1/M.RE03-: U903.27 U909.10
/SIMMs 1/M.WE.0-: U900.21 U901.21 U902.21 U903.21 U906.9
/SIMMs 1/XE00-: U907.3 U909.1
/SIMMs 1/XE01-: U907.6 U909.3
/SIMMs 1/XE02-: U907.8 U909.5
/SIMMs 1/XE03-: U907.11 U909.7
/SIZ0: U100.66 U519.15 U800.1
/SIZ1: U100.80 U519.14 U800.2
/sun3_60_cpu/BACK-: U100.1 U131.13
/sun3_60_cpu/BERR.P-: U106.2 U223.17 U232.12
/sun3_60_cpu/BERR.T-: U106.3 U107.16 U223.14
/sun3_60_cpu/BERR.V-: U106.1 U223.18 U232.19
/sun3_60_cpu/BERRCLK: U106.19 U223.11
/sun3_60_cpu/BG-: U100.15 U131.9
/sun3_60_cpu/BR-: U100.16 U131.14
/sun3_60_cpu/C.S5-: U106.7 U107.2 U114.6 U130.18 U230.9 U231.9 U232.9 U310.6 U311.7 U313.8
/sun3_60_cpu/C.S7: U114.10 U114.13
/sun3_60_cpu/C.S7X-: U130.19 U230.11 U231.11 U232.11
/sun3_60_cpu/C.S9-: U114.14 U311.14
/sun3_60_cpu/C.S21-: U107.20 U310.7 U311.8
/sun3_60_cpu/CLK1: R100.2 R101.1 U100.28 U2003.4
/sun3_60_cpu/CLK2X: U108.6 U113.3
/sun3_60_cpu/CLKA: U113.5 U2003.1 U2003.11 U2003.13
/sun3_60_cpu/CLKA-: U113.2 U113.6 U2003.3 U2003.5 U2003.9
/sun3_60_cpu/CS.FPP-: U103.17
/sun3_60_cpu/D0: S124.2 U100.130 U514.20 U710.8 U900.3
/sun3_60_cpu/D1: S124.3 U100.129 U514.19 U710.9 U900.6
/sun3_60_cpu/D2: S124.4 U100.143 U514.18 U710.10 U900.10
/sun3_60_cpu/D3: S124.5 U100.142 U514.17 U710.11 U900.13
/sun3_60_cpu/D4: S124.6 U100.156 U514.16 U710.12 U900.16
/sun3_60_cpu/D5: S124.7 U100.155 U514.15 U710.13 U900.20
/sun3_60_cpu/D6: S124.8 U100.154 U514.14 U710.1 U900.23
/sun3_60_cpu/D7: S124.9 U100.140 U514.13 U710.2 U900.25
/sun3_60_cpu/D8: S125.2 U100.168 U515.20 U711.8 U901.3
/sun3_60_cpu/D9: S125.3 U100.167 U515.19 U711.9 U901.6
/sun3_60_cpu/D10: S125.4 U100.153 U515.18 U711.10 U901.10
/sun3_60_cpu/D11: S125.5 U100.139 U515.17 U711.11 U901.13
/sun3_60_cpu/D12: S125.6 U100.166 U515.16 U711.12 U901.16
/sun3_60_cpu/D13: S125.7 U100.152 U515.15 U711.13 U901.20
/sun3_60_cpu/D14: S125.8 U100.165 U515.14 U711.1 U901.23
/sun3_60_cpu/D15: S125.9 U100.138 U515.13 U711.2 U901.25
/sun3_60_cpu/D16: S126.2 U100.150 U516.20 U712.8 U902.3
/sun3_60_cpu/D17: S126.3 U100.162 U516.19 U712.9 U902.6
/sun3_60_cpu/D18: S126.4 U100.149 U516.18 U712.10 U902.10
/sun3_60_cpu/D19: S126.5 U100.136 U516.17 U712.11 U902.13
/sun3_60_cpu/D20: S126.6 U100.161 U516.16 U712.12 U902.16
/sun3_60_cpu/D21: S126.7 U100.148 U516.15 U712.13 U902.20
/sun3_60_cpu/D22: S126.8 U100.160 U516.14 U712.1 U902.23
/sun3_60_cpu/D23: S126.9 U100.135 U516.13 U712.2 U902.25
/sun3_60_cpu/D24: S127.2 U100.147 U122.3 U123.2 U212.2 U517.20 U713.8 U903.3
/sun3_60_cpu/D25: S127.3 U100.159 U122.4 U123.5 U212.3 U517.19 U713.9 U903.6
/sun3_60_cpu/D26: S127.4 U100.146 U122.7 U123.6 U212.4 U517.18 U713.10 U903.10
/sun3_60_cpu/D27: S127.5 U100.134 U122.8 U123.9 U212.5 U517.17 U713.11 U903.13
/sun3_60_cpu/D28: S127.6 U100.158 U122.13 U123.12 U212.6 U517.16 U713.12 U903.16
/sun3_60_cpu/D29: S127.7 U100.145 U122.14 U123.15 U212.7 U517.15 U713.13 U903.20
/sun3_60_cpu/D30: S127.8 U100.133 U122.17 U123.16 U212.8 U517.14 U713.1 U903.23
/sun3_60_cpu/D31: S127.9 U100.157 U122.18 U123.19 U212.9 U517.13 U713.2 U903.25
/sun3_60_cpu/DMA-: U103.7 U106.5 U130.8 U131.15 U132.1 U132.19
/sun3_60_cpu/DMAX-: U130.9 U131.5
/sun3_60_cpu/DS: U104.8 U122.11
/sun3_60_cpu/E.REX-: U130.5 U131.3
/sun3_60_cpu/EMULATE-: U103.18 U106.4
/sun3_60_cpu/EN.BOOT-: U102.14 U225.19 U226.18
/sun3_60_cpu/EN.CTL-: U102.17 U212.19 U230.6 U231.6
/sun3_60_cpu/EN.FPP: U103.6 U225.16 U226.17
/sun3_60_cpu/FC0: U100.53 U102.5 U103.16
/sun3_60_cpu/FC1: U100.68 U102.6 U103.15
/sun3_60_cpu/MUX-: U130.16
/sun3_60_cpu/OE.BOOT-: U102.19 U311.10
/sun3_60_cpu/R.CLK-: U106.9 U115.9
/sun3_60_cpu/R.REQ-: U106.13 U130.3
/sun3_60_cpu/R.REX-: U130.2 U131.2
/sun3_60_cpu/S.ACK-: U131.16
/sun3_60_cpu/S.REQ-: U130.7
/sun3_60_cpu/S.REX-: U130.6 U131.4
/sun3_60_cpu/XACK5-: U130.12 U130.14 U131.6
/sun3_60_eeprom/DCPCLK: U313.15
/sun3_60_eeprom/DCPMAS-: U313.19
/sun3_60_eeprom/DCPMDS-: U313.18
/sun3_60_eeprom/EN.INT: U304.2 U305.3 U307.1
/sun3_60_eeprom/EN.IO-: U310.19 U311.6 U313.2
/sun3_60_eeprom/EN.IOL-: U310.20 U312.10
/sun3_60_eeprom/EN.IRQ1: U304.5 U305.4 U307.2
/sun3_60_eeprom/EN.IRQ2: U304.6 U305.7 U307.3
/sun3_60_eeprom/EN.IRQ3: U304.9 U305.8 U307.4
/sun3_60_eeprom/EN.IRQ4: U304.12 U305.13 U307.5
/sun3_60_eeprom/EN.IRQ5: U304.15 U305.14 U307.6
/sun3_60_eeprom/EN.IRQ6: U304.16 U305.17 U307.7
/sun3_60_eeprom/EN.IRQ7: U304.19 U305.18 U307.8
/sun3_60_eeprom/EN.S-: U310.15
/sun3_60_eeprom/EN.V-: U310.17
/sun3_60_eeprom/OE.EPROM-: U300.22 U311.22
/sun3_60_eeprom/RD.EEPROM-: U301.20 U312.1
/sun3_60_eeprom/RD.INT-: U305.1 U305.11 U312.21
/sun3_60_eeprom/RD.RTC-: U302.24 U312.23
/sun3_60_eeprom/RD.SCC0-: U311.18
/sun3_60_eeprom/RD.SCC1-: U311.16 U401.36
/sun3_60_eeprom/S.IRQ-: U307.23
/sun3_60_eeprom/TYPE0: S200.4 U203.14 U310.10
/sun3_60_eeprom/TYPE1: S200.2 U203.15 U310.11
/sun3_60_eeprom/WR.EEPROM-: U301.21 U312.2
/sun3_60_eeprom/WR.INT-: U304.11 U312.20
/sun3_60_eeprom/WR.RTC-: U302.1 U312.22
/sun3_60_eeprom/WR.SCC0-: U311.17
/sun3_60_eeprom/WR.SCC1-: U311.15 U401.35
/sun3_60_mmu_diag/ACCESS: S200.6 U203.13
/sun3_60_mmu_diag/ACCESSX: S200.5 U215.17 U232.15
/sun3_60_mmu_diag/EN.PMAP0-: U215.19 U231.12
/sun3_60_mmu_diag/EN.PMAP2-: U217.19 U231.14
/sun3_60_mmu_diag/EN.PMAP3-: U218.19 U231.16
/sun3_60_mmu_diag/EN.SMAP-: U213.19 U231.19
/sun3_60_mmu_diag/EN.VIDEO: U225.9 U226.8
/sun3_60_mmu_diag/LED0: U227.2 U228.2
/sun3_60_mmu_diag/LED1: U227.5 U228.4
/sun3_60_mmu_diag/LED2: U227.6 U228.6
/sun3_60_mmu_diag/LED3: U227.9 U228.8
/sun3_60_mmu_diag/LED4: U227.12 U229.2
/sun3_60_mmu_diag/LED5: U227.15 U229.4
/sun3_60_mmu_diag/LED6: U227.16 U229.6
/sun3_60_mmu_diag/LED7: U227.19 U229.8
/sun3_60_mmu_diag/MMU0: S114.2 U210.1 U210.3 U212.18 U213.2 U215.2 U217.2 U218.2 U223.2 U224.1 U225.3 U226.2
/sun3_60_mmu_diag/MMU1: S114.3 U210.4 U210.6 U212.17 U213.3 U215.3 U217.3 U218.3 U223.5 U224.2 U225.4 U226.5
/sun3_60_mmu_diag/MMU2: S114.4 U210.10 U210.12 U212.16 U213.4 U215.4 U217.4 U218.4 U223.6 U224.3 U225.7 U226.6
/sun3_60_mmu_diag/MMU3: S114.5 U210.13 U210.15 U212.15 U213.5 U215.5 U217.5 U218.5 U223.9 U224.4 U225.8 U226.9
/sun3_60_mmu_diag/MMU4: S114.6 U212.14 U213.6 U215.6 U217.6 U218.6 U223.12 U224.5 U225.13 U226.12
/sun3_60_mmu_diag/MMU5: S114.7 U212.13 U213.7 U215.7 U217.7 U218.7 U223.15 U224.6 U225.14 U226.15
/sun3_60_mmu_diag/MMU6: S114.8 U212.12 U213.8 U215.8 U217.8 U218.8 U223.16 U224.7 U225.17 U226.16
/sun3_60_mmu_diag/MMU7: S114.9 U212.11 U213.9 U215.9 U217.9 U218.9 U223.19 U224.9 U225.18 U226.19
/sun3_60_mmu_diag/MMU.S: U202.13 U215.13 U232.5
/sun3_60_mmu_diag/MMU.V: U202.15 U215.11 U232.3
/sun3_60_mmu_diag/MMU.W: U202.14 U215.12 U232.4
/sun3_60_mmu_diag/MMU.X: U202.12 U215.14
/sun3_60_mmu_diag/MODIFY: S200.8 U203.12
/sun3_60_mmu_diag/MODIFYX: S200.7 U215.18 U232.14
/sun3_60_mmu_diag/RD.BERR-: U223.1 U230.14
/sun3_60_mmu_diag/RD.CX-: U210.7 U230.18
/sun3_60_mmu_diag/RD.ID-: U224.15 U230.15
/sun3_60_mmu_diag/RD.SYSEN-: U226.1 U226.11 U230.16
/sun3_60_mmu_diag/SA17: U201.16 U202.1 U203.1 U205.1 U206.1 U207.1 U208.1 U213.18
/sun3_60_mmu_diag/SA18: U201.15 U202.2 U203.2 U205.2 U206.2 U207.2 U208.2 U213.17
/sun3_60_mmu_diag/SA19: U201.14 U202.3 U203.3 U205.3 U206.3 U207.3 U208.3 U213.16
/sun3_60_mmu_diag/SA20: U201.13 U202.4 U203.4 U205.4 U206.4 U207.4 U208.4 U213.15
